# Allegro board 8880F5-0823_RXTX.brd (continued)
## Routing (per net, layer and track width the routed paths; a pad name or vN(x,y) marks a point on that pad's centre or on a via; arc(x,y) is an arc through that point) (continued)
; D125.B16 50.8,100.79 ; D115.B6 336.09,368.3 ; D115.B6 335.28,369.11 ; D115.B6 335.28,367.49 ; D115.B6 334.47,368.3 ; 383.54,387.81 D112.B16 ; D112.B16 383.54,389.43 ; D112.B16 384.35,388.62 ; D112.B16 382.73,388.62 ; D306.B15 417.27,68.58 ; D306.B15 415.85,68.58 ; D306.B15 416.56,67.87 ; D306.B15 416.56,69.29 ; 251.46,90.73 D321.B8 ; D321.B8 252.17,91.44 ; D321.B8 251.46,92.15 ; D321.B8 250.75,91.44 ; D115.A14 315.77,373.38 ; D115.A14 314.15,373.38 ; D115.A14 314.96,374.19 ; D115.A14 314.96,372.57 ; 248.55,246.43 SITE1.G17 ; SITE1.G17 249.51,246.43 ; SITE1.G17 249.03,245.95 ; SITE1.G17 249.03,246.91 ; D111.A5 412.29,375.92 ; D111.A5 411.48,375.11 ; D111.A5 410.67,375.92 ; D111.A5 411.48,376.73 ; D321.B13 264.16,89.61 ; D321.B13 264.87,88.9 ; D321.B13 264.16,88.19 ; D321.B13 263.45,88.9 ; D110.B2 419.91,347.98 ; D110.B2 419.1,347.17 ; D110.B2 418.29,347.98 ; D110.B2 419.1,348.79 ; D318.B14 193.04,71.83 ; D318.B14 193.75,71.12 ; D318.B14 193.04,70.41 ; D318.B14 192.33,71.12 ; D108.B12 409.75,40.64 ; D108.B12 408.94,41.45 ; D108.B12 408.13,40.64 ; D108.B12 408.94,39.83 ; D118.A14 193.85,76.2 ; D118.A14 192.23,76.2 ; D118.A14 193.04,75.39 ; D118.A14 193.04,77.01 ; 192.23,342.9 CSDPS429.B4 ; CSDPS429.B4 193.85,342.9 ; CSDPS429.B4 193.04,342.09 ; CSDPS429.B4 193.04,343.71 ; D317.A13 190.5,84.53 ; D317.A13 190.5,83.11 ; D317.A13 191.21,83.82 ; D317.A13 189.79,83.82 ; CSDPS229.B12 173.53,332.74 ; CSDPS229.B12 172.72,331.93 ; CSDPS229.B12 172.72,333.55 ; CSDPS229.B12 171.91,332.74 ; 329.49,71.12 D302.B10 ; D302.B10 330.2,71.83 ; D302.B10 330.2,70.41 ; D302.B10 330.91,71.12 ; 344.63,373.38 D115.A2 ; D115.A2 346.25,373.38 ; D115.A2 345.44,374.19 ; D115.A2 345.44,372.57 ; 382.73,60.96 D107.B2 ; D107.B2 384.35,60.96 ; D107.B2 383.54,60.15 ; D107.B2 383.54,61.77 ; 42.37,93.98 D125.A13 ; D125.A13 43.18,93.17 ; D125.A13 43.99,93.98 ; D125.A13 43.18,94.79 ; 159.31,83.82 D317.A1 ; D317.A1 160.02,83.11 ; D317.A1 160.02,84.53 ; D317.A1 160.73,83.82 ; 328.85,187.93 SITE4.G8 ; SITE4.G8 329.81,187.93 ; SITE4.G8 329.33,187.45 ; SITE4.G8 329.33,188.41 ; D114.A5 337.82,356.41 ; D114.A5 337.82,354.79 ; D114.A5 337.01,355.6 ; D114.A5 338.63,355.6 ; D123.A3 239.57,53.34 ; D123.A3 238.76,54.15 ; D123.A3 237.95,53.34 ; D123.A3 238.76,52.53 ; 331.85,187.93 SITE4.G11 ; SITE4.G11 332.33,188.41 ; SITE4.G11 332.81,187.93 ; SITE4.G11 332.33,187.45 ; D130.A2 89.71,76.2 ; D130.A2 88.09,76.2 ; D130.A2 88.9,77.01 ; D130.A2 88.9,75.39 ; 248.85,241.33 SITE1.G2 ; SITE1.G2 249.33,240.85 ; SITE1.G2 249.33,241.81 ; SITE1.G2 249.81,241.33 ; D301.A12 335.99,86.36 ; D301.A12 335.28,87.07 ; D301.A12 335.28,85.65 ; D301.A12 334.57,86.36 ; 32.21,58.42 D127.B9 ; D127.B9 33.83,58.42 ; D127.B9 33.02,57.61 ; D127.B9 33.02,59.23 ; 263.35,330.2 CSDPS225.C5 ; CSDPS225.C5 264.16,331.01 ; CSDPS225.C5 264.97,330.2 ; CSDPS225.C5 264.16,329.39 ; D103.A4 315.77,55.88 ; D103.A4 314.96,56.69 ; D103.A4 314.96,55.07 ; D103.A4 314.15,55.88 ; D109.B13 391.97,330.2 ; D109.B13 390.35,330.2 ; D109.B13 391.16,331.01 ; D109.B13 391.16,329.39 ; 414.02,55.07 D107.A14 ; D107.A14 414.02,56.69 ; D107.A14 413.21,55.88 ; D107.A14 414.83,55.88 ; D125.B8 31.29,101.6 ; D125.B8 30.48,100.79 ; D125.B8 30.48,102.41 ; D125.B8 29.67,101.6 ; D110.A13 391.97,355.6 ; D110.A13 390.35,355.6 ; D110.A13 391.16,356.41 ; D110.A13 391.16,354.79 ; D431.A7 185.42,386.89 ; D431.A7 186.23,386.08 ; D431.A7 184.61,386.08 ; D431.A7 185.42,385.27 ; D317.A3 165.81,83.82 ; D317.A3 165.1,83.11 ; D317.A3 164.39,83.82 ; D317.A3 165.1,84.53 ; 88.09,81.28 D130.B2 ; D130.B2 88.9,80.47 ; D130.B2 88.9,82.09 ; D130.B2 89.71,81.28 ; D321.B15 269.95,88.9 ; D321.B15 269.24,89.61 ; D321.B15 268.53,88.9 ; D321.B15 269.24,88.19 ; D305.A1 381.71,83.82 ; D305.A1 381,84.53 ; D305.A1 380.29,83.82 ; D305.A1 381,83.11 ; 408.13,388.62 D112.B6 ; D112.B6 408.94,387.81 ; D112.B6 409.75,388.62 ; D112.B6 408.94,389.43 ; 327.66,88.19 D301.B9 ; D301.B9 327.66,89.61 ; D301.B9 328.37,88.9 ; D301.B9 326.95,88.9 ; 187.96,382.73 D431.A6 ; D431.A6 187.15,383.54 ; D431.A6 187.96,384.35 ; D431.A6 188.77,383.54 ; 345.44,39.83 D104.B16 ; D104.B16 344.63,40.64 ; D104.B16 346.25,40.64 ; D104.B16 345.44,41.45 ; D317.B1 160.73,88.9 ; D317.B1 160.02,89.61 ; D317.B1 159.31,88.9 ; D317.B1 160.02,88.19 ; D318.A8 177.8,66.75 ; D318.A8 177.09,66.04 ; D318.A8 177.8,65.33 ; D318.A8 178.51,66.04 ; 160.02,72.85 D118.A1 ; D118.A1 160.83,73.66 ; D118.A1 160.02,74.47 ; D118.A1 159.21,73.66 ; 24.59,101.6 D125.B6 ; D125.B6 25.4,102.41 ; D125.B6 25.4,100.79 ; D125.B6 26.21,101.6 ; 185.42,329.39 CSDPS229.C7 ; CSDPS229.C7 185.42,331.01 ; CSDPS229.C7 186.23,330.2 ; CSDPS229.C7 184.61,330.2 ; 316.69,375.92 D115.A13 ; D115.A13 318.31,375.92 ; D115.A13 317.5,375.11 ; D115.A13 317.5,376.73 ; D127.B3 17.78,59.23 ; D127.B3 16.97,58.42 ; D127.B3 17.78,57.61 ; D127.B3 18.59,58.42 ; SITE3.G1 248.33,181.81 ; SITE3.G1 247.85,181.33 ; SITE3.G1 248.33,180.85 ; SITE3.G1 248.81,181.33 ; 123.65,55.88 D131.A16 ; D131.A16 124.46,56.69 ; D131.A16 125.27,55.88 ; D131.A16 124.46,55.07 ; UNK2U2.4 482.49,215.88 ; UNK2U2.4 483.43,214.94 ; UNK2U2.4 481.55,214.94 ; UNK2U2.4 482.49,214 ; 16.97,93.98 D125.A3 ; D125.A3 17.78,94.79 ; D125.A3 18.59,93.98 ; D125.A3 17.78,93.17 ; D231.B7 186.23,370.84 ; D231.B7 185.42,371.65 ; D231.B7 185.42,370.03 ; D231.B7 184.61,370.84 ; 97.14,218.21 U2.4 ; U2.4 96.2,219.15 ; U2.4 97.14,220.09 ; U2.4 98.08,219.15 ; 387.91,66.04 D306.A4 ; D306.A4 388.62,65.33 ; D306.A4 389.33,66.04 ; D306.A4 388.62,66.75 ; 401.32,57.61 D107.B9 ; D107.B9 400.51,58.42 ; D107.B9 401.32,59.23 ; D107.B9 402.13,58.42 ; 415.85,88.9 D305.B15 ; D305.B15 416.56,89.61 ; D305.B15 416.56,88.19 ; D305.B15 417.27,88.9 ; 195.58,77.93 D118.B15 ; D118.B15 195.58,79.55 ; D118.B15 194.77,78.74 ; D118.B15 196.39,78.74 ; 317.5,72.85 D102.A5 ; D102.A5 316.69,73.66 ; D102.A5 318.31,73.66 ; D102.A5 317.5,74.47 ; 176.99,35.56 D120.A8 ; D120.A8 177.8,34.75 ; D120.A8 177.8,36.37 ; D120.A8 178.61,35.56 ; 265.99,66.04 D322.A14 ; D322.A14 267.41,66.04 ; D322.A14 266.7,65.33 ; D322.A14 266.7,66.75 ; 401.32,349.71 D110.B9 ; D110.B9 400.51,350.52 ; D110.B9 401.32,351.33 ; D110.B9 402.13,350.52 ; D124.A9 254,33.83 ; D124.A9 254.81,33.02 ; D124.A9 253.19,33.02 ; D124.A9 254,32.21 ; D431.B3 196.39,381 ; D431.B3 195.58,380.19 ; D431.B3 195.58,381.81 ; D431.B3 194.77,381 ; D112.B7 406.4,391.97 ; D112.B7 406.4,390.35 ; D112.B7 405.59,391.16 ; D112.B7 407.21,391.16 ; D122.B2 237.03,81.28 ; D122.B2 236.22,80.47 ; D122.B2 235.41,81.28 ; D122.B2 236.22,82.09 ; 251.46,342.09 CSDPS425.B10 ; CSDPS425.B10 250.65,342.9 ; CSDPS425.B10 252.27,342.9 ; CSDPS425.B10 251.46,343.71 ; 395.43,33.02 D108.A7 ; D108.A7 396.24,32.21 ; D108.A7 396.24,33.83 ; D108.A7 397.05,33.02 ; D321.A12 261.62,87.07 ; D321.A12 261.62,85.65 ; D321.A12 260.91,86.36 ; D321.A12 262.33,86.36 ; 344.63,327.66 D113.B2 ; D113.B2 346.25,327.66 ; D113.B2 345.44,328.47 ; D113.B2 345.44,326.85 ; 309.88,347.17 D114.B16 ; D114.B16 309.07,347.98 ; D114.B16 310.69,347.98 ; D114.B16 309.88,348.79 ; D322.B6 247.09,71.12 ; D322.B6 246.38,70.41 ; D322.B6 245.67,71.12 ; D322.B6 246.38,71.83 ; D132.A2 89.71,35.56 ; D132.A2 88.9,34.75 ; D132.A2 88.09,35.56 ; D132.A2 88.9,36.37 ; 99.06,39.83 D132.B6 ; D132.B6 99.87,40.64 ; D132.B6 99.06,41.45 ; D132.B6 98.25,40.64 ; SITE4.G3 330.81,181.33 ; SITE4.G3 329.85,181.33 ; SITE4.G3 330.33,181.81 ; SITE4.G3 330.33,180.85 ; SITE2.G3 330.33,241.81 ; SITE2.G3 330.33,240.85 ; SITE2.G3 330.81,241.33 ; SITE2.G3 329.85,241.33 ; D305.B1 381.71,88.9 ; D305.B1 380.29,88.9 ; D305.B1 381,88.19 ; D305.B1 381,89.61 ; D110.A11 397.05,355.6 ; D110.A11 395.43,355.6 ; D110.A11 396.24,356.41 ; D110.A11 396.24,354.79 ; D115.A11 323.39,375.92 ; D115.A11 322.58,376.73 ; D115.A11 322.58,375.11 ; D115.A11 321.77,375.92 ; D126.B6 26.21,81.28 ; D126.B6 24.59,81.28 ; D126.B6 25.4,80.47 ; D126.B6 25.4,82.09 ; D111.B14 389.43,368.3 ; D111.B14 388.62,367.49 ; D111.B14 388.62,369.11 ; D111.B14 387.81,368.3 ; D317.B6 173.43,91.44 ; D317.B6 172.01,91.44 ; D317.B6 172.72,90.73 ; D317.B6 172.72,92.15 ; D113.A14 315.77,332.74 ; D113.A14 314.96,333.55 ; D113.A14 314.15,332.74 ; D113.A14 314.96,331.93 ; 162.56,70.41 D318.B2 ; D318.B2 161.85,71.12 ; D318.B2 163.27,71.12 ; D318.B2 162.56,71.83 ; 314.15,347.98 D114.B14 ; D114.B14 315.77,347.98 ; D114.B14 314.96,347.17 ; D114.B14 314.96,348.79 ; 265.89,342.9 CSDPS425.B4 ; CSDPS425.B4 267.51,342.9 ; CSDPS425.B4 266.7,342.09 ; CSDPS425.B4 266.7,343.71 ; S4_I2C.4 519.86,203.45 ; S4_I2C.4 518.92,202.51 ; S4_I2C.4 518.92,204.39 ; S4_I2C.4 517.98,203.45 ; D322.A16 272.49,66.04 ; D322.A16 271.07,66.04 ; D322.A16 271.78,65.33 ; D322.A16 271.78,66.75 ; D116.A13 318.31,396.24 ; D116.A13 316.69,396.24 ; D116.A13 317.5,395.43 ; D116.A13 317.5,397.05 ; D104.B12 335.28,41.45 ; D104.B12 335.28,39.83 ; D104.B12 334.47,40.64 ; D104.B12 336.09,40.64 ; 96.52,52.53 D131.A5 ; D131.A5 96.52,54.15 ; D131.A5 95.71,53.34 ; D131.A5 97.33,53.34 ; 165.1,88.19 D317.B3 ; D317.B3 164.39,88.9 ; D317.B3 165.81,88.9 ; D317.B3 165.1,89.61 ; 405.59,350.52 D110.B7 ; D110.B7 406.4,351.33 ; D110.B7 406.4,349.71 ; D110.B7 407.21,350.52 ; CSDPS429.B8 183.69,342.9 ; CSDPS429.B8 182.88,342.09 ; CSDPS429.B8 182.88,343.71 ; CSDPS429.B8 182.07,342.9 ; 254,77.93 D122.B9 ; D122.B9 254,79.55 ; D122.B9 254.81,78.74 ; D122.B9 253.19,78.74 ; D126.A3 18.59,73.66 ; D126.A3 17.78,74.47 ; D126.A3 16.97,73.66 ; D126.A3 17.78,72.85 ; D110.A7 406.4,356.41 ; D110.A7 405.59,355.6 ; D110.A7 406.4,354.79 ; D110.A7 407.21,355.6 ; SITE3.G12 253.81,187.93 ; SITE3.G12 252.85,187.93 ; SITE3.G12 253.33,188.41 ; SITE3.G12 253.33,187.45 ; 269.24,67.87 D322.B15 ; D322.B15 269.95,68.58 ; D322.B15 268.53,68.58 ; D322.B15 269.24,69.29 ; 255.73,76.2 D122.A10 ; D122.A10 257.35,76.2 ; D122.A10 256.54,75.39 ; D122.A10 256.54,77.01 ; D107.B16 419.91,60.96 ; D107.B16 418.29,60.96 ; D107.B16 419.1,60.15 ; D107.B16 419.1,61.77 ; 106.68,72.85 D130.A9 ; D130.A9 106.68,74.47 ; D130.A9 105.87,73.66 ; D130.A9 107.49,73.66 ; 27.13,33.02 D128.A7 ; D128.A7 27.94,32.21 ; D128.A7 27.94,33.83 ; D128.A7 28.75,33.02 ; D107.B14 414.83,60.96 ; D107.B14 414.02,60.15 ; D107.B14 414.02,61.77 ; D107.B14 413.21,60.96 ; 410.77,63.5 D306.A13 ; D306.A13 412.19,63.5 ; D306.A13 411.48,64.21 ; D306.A13 411.48,62.79 ; 190.5,67.87 D318.B13 ; D318.B13 189.79,68.58 ; D318.B13 191.21,68.58 ; D318.B13 190.5,69.29 ; 245.67,86.36 D321.A6 ; D321.A6 247.09,86.36 ; D321.A6 246.38,87.07 ; D321.A6 246.38,85.65 ; D106.B8 398.78,82.09 ; D106.B8 399.59,81.28 ; D106.B8 398.78,80.47 ; D106.B8 397.97,81.28 ; CSDPS429.B14 167.64,343.71 ; CSDPS429.B14 167.64,342.09 ; CSDPS429.B14 168.45,342.9 ; CSDPS429.B14 166.83,342.9 ; 319.23,393.7 D116.A12 ; D116.A12 320.04,394.51 ; D116.A12 320.85,393.7 ; D116.A12 320.04,392.89 ; 24.59,76.2 D126.A6 ; D126.A6 26.21,76.2 ; D126.A6 25.4,77.01 ; D126.A6 25.4,75.39 ; 393.7,392.89 D112.A12 ; D112.A12 392.89,393.7 ; D112.A12 394.51,393.7 ; D112.A12 393.7,394.51 ; CSDPS425.B2 272.59,342.9 ; CSDPS425.B2 271.78,343.71 ; CSDPS425.B2 271.78,342.09 ; CSDPS425.B2 270.97,342.9 ; 86.36,37.29 D132.B1 ; D132.B1 86.36,38.91 ; D132.B1 87.17,38.1 ; D132.B1 85.55,38.1 ; 319.33,91.44 D301.B6 ; D301.B6 320.04,92.15 ; D301.B6 320.04,90.73 ; D301.B6 320.75,91.44 ; D112.A2 419.1,394.51 ; D112.A2 418.29,393.7 ; D112.A2 419.1,392.89 ; D112.A2 419.91,393.7 ; 400.51,78.74 D106.B9 ; D106.B9 402.13,78.74 ; D106.B9 401.32,77.93 ; D106.B9 401.32,79.55 ; 395.53,83.82 D305.A7 ; D305.A7 396.95,83.82 ; D305.A7 396.24,83.11 ; D305.A7 396.24,84.53 ; D124.A3 239.57,33.02 ; D124.A3 237.95,33.02 ; D124.A3 238.76,32.21 ; D124.A3 238.76,33.83 ; 44.91,35.56 D128.A14 ; D128.A14 45.72,36.37 ; D128.A14 46.53,35.56 ; D128.A14 45.72,34.75 ; 172.72,55.07 D119.A6 ; D119.A6 172.72,56.69 ; D119.A6 171.91,55.88 ; D119.A6 173.53,55.88 ; 254,88.19 D321.B9 ; D321.B9 254,89.61 ; D321.B9 253.29,88.9 ; D321.B9 254.71,88.9 ; 86.36,32.21 D132.A1 ; D132.A1 87.17,33.02 ; D132.A1 85.55,33.02 ; D132.A1 86.36,33.83 ; DPS3.A15 269.24,14.78 ; DPS3.A15 270.05,13.97 ; DPS3.A15 268.43,13.97 ; DPS3.A15 269.24,13.16 ; 93.98,60.15 D131.B4 ; D131.B4 93.98,61.77 ; D131.B4 94.79,60.96 ; D131.B4 93.17,60.96 ; D104.A3 312.42,33.83 ; D104.A3 312.42,32.21 ; D104.A3 311.61,33.02 ; D104.A3 313.23,33.02 ; D110.A3 417.37,355.6 ; D110.A3 416.56,356.41 ; D110.A3 415.75,355.6 ; D110.A3 416.56,354.79 ; D127.A6 25.4,56.69 ; D127.A6 26.21,55.88 ; D127.A6 24.59,55.88 ; D127.A6 25.4,55.07 ; 108.41,101.6 D129.B10 ; D129.B10 109.22,100.79 ; D129.B10 109.22,102.41 ; D129.B10 110.03,101.6 ; D317.A15 196.29,83.82 ; D317.A15 195.58,83.11 ; D317.A15 194.87,83.82 ; D317.A15 195.58,84.53 ; 250.65,60.96 D123.B8 ; D123.B8 251.46,61.77 ; D123.B8 251.46,60.15 ; D123.B8 252.27,60.96 ; 393.7,70.41 D306.B6 ; D306.B6 394.41,71.12 ; D306.B6 392.99,71.12 ; D306.B6 393.7,71.83 ; 27.94,77.93 D126.B7 ; D126.B7 27.13,78.74 ; D126.B7 28.75,78.74 ; D126.B7 27.94,79.55 ; 43.18,72.85 D126.A13 ; D126.A13 42.37,73.66 ; D126.A13 43.18,74.47 ; D126.A13 43.99,73.66 ; D108.A15 416.56,33.83 ; D108.A15 415.75,33.02 ; D108.A15 417.37,33.02 ; D108.A15 416.56,32.21 ; D301.A10 330.91,86.36 ; D301.A10 330.2,87.07 ; D301.A10 330.2,85.65 ; D301.A10 329.49,86.36 ; 396.24,72.85 D106.A7 ; D106.A7 396.24,74.47 ; D106.A7 397.05,73.66 ; D106.A7 395.43,73.66 ; D130.B8 104.14,82.09 ; D130.B8 104.14,80.47 ; D130.B8 103.33,81.28 ; D130.B8 104.95,81.28 ; 309.07,332.74 D113.A16 ; D113.A16 309.88,331.93 ; D113.A16 309.88,333.55 ; D113.A16 310.69,332.74 ; 233.68,62.79 D322.A1 ; D322.A1 233.68,64.21 ; D322.A1 232.97,63.5 ; D322.A1 234.39,63.5 ; D127.A12 40.64,56.69 ; D127.A12 41.45,55.88 ; D127.A12 40.64,55.07 ; D127.A12 39.83,55.88 ; 383.54,34.75 D108.A2 ; D108.A2 384.35,35.56 ; D108.A2 382.73,35.56 ; D108.A2 383.54,36.37 ; D112.B11 396.24,391.97 ; D112.B11 397.05,391.16 ; D112.B11 396.24,390.35 ; D112.B11 395.43,391.16 ; D116.B11 322.58,391.97 ; D116.B11 322.58,390.35 ; D116.B11 321.77,391.16 ; D116.B11 323.39,391.16 ; 327.85,241.33 SITE2.G1 ; SITE2.G1 328.81,241.33 ; SITE2.G1 328.33,240.85 ; SITE2.G1 328.33,241.81 ; D116.B7 333.55,391.16 ; D116.B7 332.74,391.97 ; D116.B7 332.74,390.35 ; D116.B7 331.93,391.16 ; D128.A5 23.67,33.02 ; D128.A5 22.86,33.83 ; D128.A5 22.05,33.02 ; D128.A5 22.86,32.21 ; 385.27,33.02 D108.A3 ; D108.A3 386.08,33.83 ; D108.A3 386.89,33.02 ; D108.A3 386.08,32.21 ; 193.04,80.47 D118.B14 ; D118.B14 193.04,82.09 ; D118.B14 192.23,81.28 ; D118.B14 193.85,81.28 ; 192.33,86.36 D317.A14 ; D317.A14 193.04,87.07 ; D317.A14 193.75,86.36 ; D317.A14 193.04,85.65 ; 329.39,81.28 D102.B10 ; D102.B10 330.2,82.09 ; D102.B10 330.2,80.47 ; D102.B10 331.01,81.28 ; 44.91,55.88 D127.A14 ; D127.A14 45.72,55.07 ; D127.A14 46.53,55.88 ; D127.A14 45.72,56.69 ; 405.59,33.02 D108.A11 ; D108.A11 406.4,33.83 ; D108.A11 407.21,33.02 ; D108.A11 406.4,32.21 ; 421.64,370.03 D111.B1 ; D111.B1 420.83,370.84 ; D111.B1 422.45,370.84 ; D111.B1 421.64,371.65 ; DPS1.C15 416.56,19.86 ; DPS1.C15 415.75,19.05 ; DPS1.C15 416.56,18.24 ; DPS1.C15 417.37,19.05 ; 320.04,372.57 D115.A12 ; D115.A12 320.85,373.38 ; D115.A12 320.04,374.19 ; D115.A12 319.23,373.38 ; SITE2.G15 331.91,242.83 ; SITE2.G15 330.95,242.83 ; SITE2.G15 331.43,242.35 ; SITE2.G15 331.43,243.31 ; 96.1,205.54 U1.4 ; U1.4 97.04,204.6 ; U1.4 97.04,206.48 ; U1.4 97.98,205.54 ; 392.89,35.56 D108.A6 ; D108.A6 394.51,35.56 ; D108.A6 393.7,36.37 ; D108.A6 393.7,34.75 ; D123.B12 261.62,61.77 ; D123.B12 260.81,60.96 ; D123.B12 262.43,60.96 ; D123.B12 261.62,60.15 ; 330.2,352.25 D114.A8 ; D114.A8 331.01,353.06 ; D114.A8 329.39,353.06 ; D114.A8 330.2,353.87 ; 90.63,33.02 D132.A3 ; D132.A3 91.44,32.21 ; D132.A3 91.44,33.83 ; D132.A3 92.25,33.02 ; 411.48,83.11 D305.A13 ; D305.A13 411.48,84.53 ; D305.A13 410.77,83.82 ; D305.A13 412.19,83.82 ; D120.B15 195.58,38.91 ; D120.B15 195.58,37.29 ; D120.B15 196.39,38.1 ; D120.B15 194.77,38.1 ; CSDPS225.B14 242.11,332.74 ; CSDPS225.B14 241.3,333.55 ; CSDPS225.B14 240.49,332.74 ; CSDPS225.B14 241.3,331.93 ; 118.57,76.2 D130.A14 ; D130.A14 119.38,77.01 ; D130.A14 120.19,76.2 ; D130.A14 119.38,75.39 ; SITE4.G13 329.03,183.31 ; SITE4.G13 328.55,182.83 ; SITE4.G13 329.03,182.35 ; SITE4.G13 329.51,182.83 ; D130.B5 97.33,78.74 ; D130.B5 95.71,78.74 ; D130.B5 96.52,77.93 ; D130.B5 96.52,79.55 ; 232.87,38.1 D124.B1 ; D124.B1 233.68,37.29 ; D124.B1 234.49,38.1 ; D124.B1 233.68,38.91 ; D112.A3 416.56,397.05 ; D112.A3 416.56,395.43 ; D112.A3 415.75,396.24 ; D112.A3 417.37,396.24 ; 12.7,98.25 D125.B1 ; D125.B1 11.89,99.06 ; D125.B1 13.51,99.06 ; D125.B1 12.7,99.87 ; 255.83,66.04 D322.A10 ; D322.A10 257.25,66.04 ; D322.A10 256.54,65.33 ; D322.A10 256.54,66.75 ; 238.76,77.93 D122.B3 ; D122.B3 239.57,78.74 ; D122.B3 238.76,79.55 ; D122.B3 237.95,78.74 ; D113.B3 342.9,331.01 ; D113.B3 343.71,330.2 ; D113.B3 342.09,330.2 ; 198.12,342.09 CSDPS429.B2 ; CSDPS429.B2 197.31,342.9 ; CSDPS429.B2 198.12,343.71 ; CSDPS429.B2 198.93,342.9 ; D124.B4 242.11,40.64 ; D124.B4 241.3,41.45 ; D124.B4 240.49,40.64 ; D124.B4 241.3,39.83 ; D118.B11 185.42,79.55 ; D118.B11 185.42,77.93 ; D118.B11 184.61,78.74 ; D118.B11 186.23,78.74 ; 180.34,57.61 D119.B9 ; D119.B9 179.53,58.42 ; D119.B9 181.15,58.42 ; D119.B9 180.34,59.23 ; 406.4,334.47 D109.A7 ; D109.A7 405.59,335.28 ; D109.A7 407.21,335.28 ; D109.A7 406.4,336.09 ; D114.B5 337.82,351.33 ; D114.B5 337.82,349.71 ; D114.B5 338.63,350.52 ; D114.B5 337.01,350.52 ; 187.15,368.3 D231.B6 ; D231.B6 187.96,369.11 ; D231.B6 188.77,368.3 ; D231.B6 187.96,367.49 ; D318.A7 175.97,63.5 ; D318.A7 175.26,64.21 ; D318.A7 175.26,62.79 ; D318.A7 174.55,63.5 ; D129.B11 111.76,99.87 ; D129.B11 112.57,99.06 ; D129.B11 110.95,99.06 ; D129.B11 111.76,98.25 ; DPS3.C05 243.84,19.86 ; DPS3.C05 243.03,19.05 ; DPS3.C05 243.84,18.24 ; DPS3.C05 244.65,19.05 ; D103.A8 325.93,55.88 ; D103.A8 325.12,56.69 ; D103.A8 325.12,55.07 ; D103.A8 324.31,55.88 ; D123.B5 243.84,59.23 ; D123.B5 244.65,58.42 ; D123.B5 243.03,58.42 ; D123.B5 243.84,57.61 ; 415.75,13.97 DPS1.A15 ; DPS1.A15 417.37,13.97 ; DPS1.A15 416.56,13.16 ; DPS1.A15 416.56,14.78 ; 180.34,72.85 D118.A9 ; D118.A9 181.15,73.66 ; D118.A9 179.53,73.66 ; D118.A9 180.34,74.47 ; 121.11,73.66 D130.A15 ; D130.A15 121.92,74.47 ; D130.A15 122.73,73.66 ; D130.A15 121.92,72.85 ; D115.B1 347.98,371.65 ; D115.B1 347.98,370.03 ; D115.B1 348.79,370.84 ; D115.B1 347.17,370.84 ; 38.1,52.53 D127.A11 ; D127.A11 38.1,54.15 ; D127.A11 38.91,53.34 ; D127.A11 37.29,53.34 ; 393.7,331.93 D109.A12 ; D109.A12 393.7,333.55 ; D109.A12 394.51,332.74 ; D109.A12 392.89,332.74 ; SITE3.G2 249.33,181.81 ; SITE3.G2 248.85,181.33 ; SITE3.G2 249.81,181.33 ; SITE3.G2 249.33,180.85 ; D322.B4 242.01,71.12 ; D322.B4 240.59,71.12 ; D322.B4 241.3,71.83 ; D322.B4 241.3,70.41 ; 164.29,78.74 D118.B3 ; D118.B3 165.91,78.74 ; D118.B3 165.1,77.93 ; D118.B3 165.1,79.55 ; 263.35,53.34 D123.A13 ; D123.A13 264.16,52.53 ; D123.A13 264.97,53.34 ; D123.A13 264.16,54.15 ; 24.59,96.52 D125.A6 ; D125.A6 25.4,95.71 ; D125.A6 25.4,97.33 ; D125.A6 26.21,96.52 ; 331.93,38.1 D104.B11 ; D104.B11 332.74,37.29 ; D104.B11 332.74,38.91 ; D104.B11 333.55,38.1 ; D107.B7 397.05,58.42 ; D107.B7 396.24,59.23 ; D107.B7 396.24,57.61 ; D107.B7 395.43,58.42 ; D322.A5 243.84,64.21 ; D322.A5 243.13,63.5 ; D322.A5 243.84,62.79 ; D322.A5 244.55,63.5 ; 22.86,93.17 D125.A5 ; D125.A5 22.05,93.98 ; D125.A5 22.86,94.79 ; D125.A5 23.67,93.98 ; D322.A12 262.33,66.04 ; D322.A12 260.91,66.04 ; D322.A12 261.62,65.33 ; D322.A12 261.62,66.75 ; D126.B8 31.29,81.28 ; D126.B8 30.48,82.09 ; D126.B8 30.48,80.47 ; D126.B8 29.67,81.28 ; 47.45,78.74 D126.B15 ; D126.B15 49.07,78.74 ; D126.B15 48.26,77.93 ; 386.08,334.47 D109.A15 ; D109.A15 386.89,335.28 ; D109.A15 386.08,336.09 ; D109.A15 385.27,335.28 ; 161.85,91.44 D317.B2 ; D317.B2 162.56,92.15 ; D317.B2 163.27,91.44 ; D317.B2 162.56,90.73 ; D318.B3 165.81,68.58 ; D318.B3 164.39,68.58 ; D318.B3 165.1,67.87 ; D318.B3 165.1,69.29 ; 385.37,83.82 D305.A3 ; D305.A3 386.08,84.53 ; D305.A3 386.08,83.11 ; D305.A3 386.79,83.82 ; D102.B11 333.55,78.74 ; D102.B11 332.74,77.93 ; D102.B11 332.74,79.55 ; D102.B11 331.93,78.74 ; SITE1.G1 248.33,241.81 ; SITE1.G1 248.33,240.85 ; SITE1.G1 247.85,241.33 ; SITE1.G1 248.81,241.33 ; D113.A3 342.9,336.09 ; D113.A3 342.9,334.47 ; D113.A3 343.71,335.28 ; D113.A3 342.09,335.28 ; D122.B13 264.97,78.74 ; D122.B13 263.35,78.74 ; D122.B13 264.16,77.93 ; D122.B13 264.16,79.55 ; D108.B10 403.86,41.45 ; D108.B10 404.67,40.64 ; D108.B10 403.86,39.83 ; D108.B10 403.05,40.64 ; D107.B15 416.56,59.23 ; D107.B15 417.37,58.42 ; D107.B15 416.56,57.61 ; D107.B15 415.75,58.42 ; 101.6,98.25 D129.B7 ; D129.B7 101.6,99.87 ; D129.B7 100.79,99.06 ; D129.B7 102.41,99.06 ; D107.B3 386.08,59.23 ; D107.B3 386.08,57.61 ; D107.B3 386.89,58.42 ; D107.B3 385.27,58.42 ; 180.34,339.55 CSDPS429.C9 ; CSDPS429.C9 181.15,340.36 ; CSDPS429.C9 180.34,341.17 ; CSDPS429.C9 179.53,340.36 ; 167.64,382.73 D431.A14 ; D431.A14 166.83,383.54 ; D431.A14 167.64,384.35 ; D431.A14 168.45,383.54 ; D322.A4 242.01,66.04 ; D322.A4 240.59,66.04 ; D322.A4 241.3,66.75 ; D322.A4 241.3,65.33 ; 397.97,332.74 D109.A10 ; D109.A10 398.78,333.55 ; D109.A10 398.78,331.93 ; D109.A10 399.59,332.74 ; 121.11,33.02 D132.A15 ; D132.A15 121.92,33.83 ; D132.A15 121.92,32.21 ; D132.A15 122.73,33.02 ; 410.67,335.28 D109.A5 ; D109.A5 411.48,336.09 ; D109.A5 411.48,334.47 ; D109.A5 412.29,335.28 ; D128.B3 17.78,38.91 ; D128.B3 18.59,38.1 ; D128.B3 17.78,37.29 ; D128.B3 16.97,38.1 ; SITE3.G18 250.23,186.91 ; SITE3.G18 249.75,186.43 ; SITE3.G18 250.71,186.43 ; SITE3.G18 250.23,185.95 ; D125.A4 20.32,97.33 ; D125.A4 19.51,96.52 ; D125.A4 21.13,96.52 ; D125.A4 20.32,95.71 ; D118.A12 188.77,76.2 ; D118.A12 187.96,75.39 ; D118.A12 187.96,77.01 ; D118.A12 187.15,76.2 ; D129.A8 104.14,97.33 ; D129.A8 104.14,95.71 ; D129.A8 103.33,96.52 ; D129.A8 104.95,96.52 ; 405.59,19.05 DPS1.C11 ; DPS1.C11 406.4,18.24 ; DPS1.C11 407.21,19.05 ; DPS1.C11 406.4,19.86 ; 33.02,72.85 D126.A9 ; D126.A9 33.02,74.47 ; D126.A9 32.21,73.66 ; D126.A9 33.83,73.66 ; 243.03,13.97 DPS3.A05 ; DPS3.A05 243.84,13.16 ; DPS3.A05 244.65,13.97 ; DPS3.A05 243.84,14.78 ; 342.09,38.1 D104.B15 ; D104.B15 342.9,38.91 ; D104.B15 343.71,38.1 ; D104.B15 342.9,37.29 ; 243.84,52.53 D123.A5 ; D123.A5 243.03,53.34 ; D123.A5 244.65,53.34 ; D123.A5 243.84,54.15 ; 420.83,396.24 D112.A1 ; D112.A1 422.45,396.24 ; D112.A1 421.64,397.05 ; D112.A1 421.64,395.43 ; D317.B9 180.34,89.61 ; D317.B9 180.34,88.19 ; D317.B9 179.63,88.9 ; D317.B9 181.05,88.9 ; 271.78,70.41 D322.B16 ; D322.B16 271.07,71.12 ; D322.B16 271.78,71.83 ; D322.B16 272.49,71.12 ; 322.58,334.47 D113.A11 ; D113.A11 323.39,335.28 ; D113.A11 322.58,336.09 ; D113.A11 321.77,335.28 ; 339.55,347.98 D114.B4 ; D114.B4 341.17,347.98 ; D114.B4 340.36,348.79 ; D114.B4 340.36,347.17 ; 332.74,67.87 D302.B11 ; D302.B11 332.74,69.29 ; D302.B11 332.03,68.58 ; D302.B11 333.45,68.58 ; 39.83,101.6 D125.B12 ; D125.B12 40.64,100.79 ; D125.B12 40.64,102.41 ; D125.B12 41.45,101.6 ; 264.16,62.79 D322.A13 ; D322.A13 263.45,63.5 ; D322.A13 264.16,64.21 ; D322.A13 264.87,63.5 ; D431.A15 165.1,386.89 ; D431.A15 165.1,385.27 ; D431.A15 165.91,386.08 ; D431.A15 164.29,386.08 ; 339.55,55.88 D103.A14 ; D103.A14 341.17,55.88 ; D103.A14 340.36,56.69 ; D103.A14 340.36,55.07 ; D131.B11 111.76,59.23 ; D131.B11 111.76,57.61 ; D131.B11 110.95,58.42 ; D131.B11 112.57,58.42 ; 317.5,32.21 D104.A5 ; D104.A5 318.31,33.02 ; D104.A5 316.69,33.02 ; D104.A5 317.5,33.83 ; D103.A11 333.55,53.34 ; D103.A11 332.74,54.15 ; D103.A11 332.74,52.53 ; D103.A11 331.93,53.34 ; SITE3.G9 250.33,188.41 ; SITE3.G9 249.85,187.93 ; SITE3.G9 250.33,187.45 ; SITE3.G9 250.81,187.93 ; 190.5,375.11 D231.A5 ; D231.A5 189.69,375.92 ; D231.A5 191.31,375.92 ; D231.A5 190.5,376.73 ; 185.42,339.55 CSDPS429.C7 ; CSDPS429.C7 184.61,340.36 ; CSDPS429.C7 186.23,340.36 ; CSDPS429.C7 185.42,341.17 ; D231.A13 170.18,376.73 ; D231.A13 170.99,375.92 ; D231.A13 170.18,375.11 ; D231.A13 169.37,375.92 ; 171.91,81.28 D118.B6 ; D118.B6 172.72,80.47 ; D118.B6 173.53,81.28 ; D118.B6 172.72,82.09 ; D102.B5 317.5,79.55 ; D102.B5 317.5,77.93 ; D102.B5 316.69,78.74 ; D102.B5 318.31,78.74 ; 98.25,55.88 D131.A6 ; D131.A6 99.87,55.88 ; D131.A6 99.06,56.69 ; D131.A6 99.06,55.07 ; 329.39,55.88 D103.A10 ; D103.A10 331.01,55.88 ; D103.A10 330.2,55.07 ; D103.A10 330.2,56.69 ; D127.B2 16.05,60.96 ; D127.B2 15.24,60.15 ; D127.B2 14.43,60.96 ; D127.B2 15.24,61.77 ; 174.45,53.34 D119.A7 ; D119.A7 175.26,52.53 ; D119.A7 176.07,53.34 ; D119.A7 175.26,54.15 ; D317.B13 191.21,88.9 ; D317.B13 190.5,89.61 ; D317.B13 190.5,88.19 ; D317.B13 189.79,88.9 ; D131.A7 101.6,54.15 ; D131.A7 100.79,53.34 ; D131.A7 102.41,53.34 ; D131.A7 101.6,52.53 ; 413.21,81.28 D106.B14 ; D106.B14 414.02,82.09 ; D106.B14 414.02,80.47 ; D106.B14 414.83,81.28 ; 101.6,32.21 D132.A7 ; D132.A7 100.79,33.02 ; D132.A7 101.6,33.83 ; D132.A7 102.41,33.02 ; 382.83,66.04 D306.A2 ; D306.A2 384.25,66.04 ; D306.A2 383.54,66.75 ; D306.A2 383.54,65.33 ; 159.21,53.34 D119.A1 ; D119.A1 160.02,54.15 ; D119.A1 160.83,53.34 ; D119.A1 160.02,52.53 ; 413.21,35.56 D108.A14 ; D108.A14 414.02,36.37 ; D108.A14 414.83,35.56 ; D108.A14 414.02,34.75 ; 319.23,353.06 D114.A12 ; D114.A12 320.04,352.25 ; D114.A12 320.85,353.06 ; D114.A12 320.04,353.87 ; DPS1.A01 381.81,13.97 ; DPS1.A01 380.19,13.97 ; DPS1.A01 381,14.78 ; DPS1.A01 381,13.16 ; D129.B13 117.65,99.06 ; D129.B13 116.03,99.06 ; D129.B13 116.84,98.25 ; D129.B13 116.84,99.87 ; 391.16,375.11 D111.A13 ; D111.A13 391.16,376.73 ; D111.A13 390.35,375.92 ; D111.A13 391.97,375.92 ; D321.A2 236.22,87.07 ; D321.A2 236.22,85.65 ; D321.A2 235.51,86.36 ; D321.A2 236.93,86.36 ; 116.84,93.17 D129.A13 ; D129.A13 116.03,93.98 ; D129.A13 116.84,94.79 ; D129.A13 117.65,93.98 ; D115.B11 323.39,370.84 ; D115.B11 322.58,370.03 ; D115.B11 321.77,370.84 ; D115.B11 322.58,371.65 ; 342.09,375.92 D115.A3 ; D115.A3 342.9,375.11 ; D115.A3 342.9,376.73 ; D115.A3 343.71,375.92 ; 271.78,55.07 D123.A16 ; D123.A16 271.78,56.69 ; D123.A16 270.97,55.88 ; D123.A16 272.59,55.88 ; 383.54,367.49 D111.B16 ; D111.B16 383.54,369.11 ; D111.B16 382.73,368.3 ; D111.B16 384.35,368.3 ; 169.47,68.58 D318.B5 ; D318.B5 170.18,67.87 ; D318.B5 170.18,69.29 ; D318.B5 170.89,68.58 ; 332.74,349.71 D114.B7 ; D114.B7 331.93,350.52 ; D114.B7 332.74,351.33 ; D114.B7 333.55,350.52 ; D114.A10 325.12,353.87 ; D114.A10 325.12,352.25 ; D114.A10 324.31,353.06 ; D114.A10 325.93,353.06 ; 382.73,393.7 D112.A16 ; D112.A16 383.54,392.89 ; D112.A16 384.35,393.7 ; D112.A16 383.54,394.51 ; D109.A9 401.32,336.09 ; D109.A9 400.51,335.28 ; D109.A9 401.32,334.47 ; D109.A9 402.13,335.28 ; 164.29,53.34 D119.A3 ; D119.A3 165.91,53.34 ; D119.A3 165.1,54.15 ; D119.A3 165.1,52.53 ; D321.B6 247.09,91.44 ; D321.B6 246.38,90.73 ; D321.B6 245.67,91.44 ; D321.B6 246.38,92.15 ; 88.9,100.79 D129.B2 ; D129.B2 88.9,102.41 ; D129.B2 89.71,101.6 ; D129.B2 88.09,101.6 ; 259.08,72.85 D122.A11 ; D122.A11 259.89,73.66 ; D122.A11 259.08,74.47 ; D122.A11 258.27,73.66 ; D130.B16 125.27,81.28 ; D130.B16 123.65,81.28 ; D130.B16 124.46,82.09 ; D130.B16 124.46,80.47 ; 408.13,327.66 D109.B6 ; D109.B6 408.94,326.85 ; D109.B6 408.94,328.47 ; D109.B6 409.75,327.66 ; D322.B9 254,69.29 ; D322.B9 253.29,68.58 ; D322.B9 254.71,68.58 ; D322.B9 254,67.87 ; 175.26,83.11 D317.A7 ; D317.A7 175.97,83.82 ; D317.A7 174.55,83.82 ; D317.A7 175.26,84.53 ; 309.07,40.64 D104.B2 ; D104.B2 309.88,41.45 ; D104.B2 310.69,40.64 ; D104.B2 309.88,39.83 ; 177.8,75.39 D118.A8 ; D118.A8 176.99,76.2 ; D118.A8 178.61,76.2 ; D118.A8 177.8,77.01 ; D123.B4 242.11,60.96 ; D123.B4 240.49,60.96 ; D123.B4 241.3,60.15 ; D123.B4 241.3,61.77 ; 22.05,58.42 D127.B5 ; D127.B5 23.67,58.42 ; D127.B5 22.86,57.61 ; D127.B5 22.86,59.23 ; D318.B15 195.58,69.29 ; D318.B15 194.87,68.58 ; D318.B15 196.29,68.58 ; D318.B15 195.58,67.87 ; 329.03,245.95 SITE2.G17 ; SITE2.G17 329.51,246.43 ; SITE2.G17 328.55,246.43 ; SITE2.G17 329.03,246.91 ; D119.A2 162.56,56.69 ; D119.A2 162.56,55.07 ; D119.A2 161.75,55.88 ; D119.A2 163.37,55.88 ; D118.B13 191.31,78.74 ; D118.B13 189.69,78.74 ; D118.B13 190.5,77.93 ; D118.B13 190.5,79.55 ; D129.B15 122.73,99.06 ; D129.B15 121.92,98.25 ; D129.B15 121.11,99.06 ; D129.B15 121.92,99.87 ; 159.21,38.1 D120.B1 ; D120.B1 160.02,37.29 ; D120.B1 160.02,38.91 ; D120.B1 160.83,38.1 ; D114.A15 313.23,355.6 ; D114.A15 312.42,354.79 ; D114.A15 311.61,355.6 ; D114.A15 312.42,356.41 ; D111.B11 397.05,370.84 ; D111.B11 396.24,370.03 ; D111.B11 395.43,370.84 ; D111.B11 396.24,371.65 ; 390.35,396.24 D112.A13 ; D112.A13 391.16,397.05 ; D112.A13 391.97,396.24 ; D112.A13 391.16,395.43 ; 167.64,80.47 D118.B4 ; D118.B4 166.83,81.28 ; D118.B4 168.45,81.28 ; D118.B4 167.64,82.09 ; 335.28,75.39 D102.A12 ; D102.A12 336.09,76.2 ; D102.A12 335.28,77.01 ; D102.A12 334.47,76.2 ; 174.45,386.08 D431.A11 ; D431.A11 175.26,385.27 ; D431.A11 175.26,386.89 ; D431.A11 176.07,386.08 ; 238.76,329.39 CSDPS225.C15 ; CSDPS225.C15 238.76,331.01 ; CSDPS225.C15 237.95,330.2 ; CSDPS225.C15 239.57,330.2 ; 195.58,52.53 D119.A15 ; D119.A15 195.58,54.15 ; D119.A15 196.39,53.34 ; D119.A15 194.77,53.34 ; D318.A12 187.96,66.75 ; D318.A12 188.67,66.04 ; D318.A12 187.96,65.33 ; D318.A12 187.25,66.04 ; 342.9,62.79 D302.A15 ; D302.A15 342.9,64.21 ; D302.A15 343.61,63.5 ; D302.A15 342.19,63.5 ; 93.98,39.83 D132.B4 ; D132.B4 93.17,40.64 ; D132.B4 93.98,41.45 ; D132.B4 94.79,40.64 ; D120.A2 162.56,36.37 ; D120.A2 162.56,34.75 ; D120.A2 161.75,35.56 ; D120.A2 163.37,35.56 ; D132.A14 119.38,36.37 ; D132.A14 119.38,34.75 ; D132.A14 118.57,35.56 ; D132.A14 120.19,35.56 ; D306.A15 416.56,64.21 ; D306.A15 417.27,63.5 ; D306.A15 416.56,62.79 ; D306.A15 415.85,63.5 ; 179.53,381 D431.B9 ; D431.B9 180.34,381.81 ; D431.B9 181.15,381 ; D431.B9 180.34,380.19 ; D113.A4 340.36,333.55 ; D113.A4 340.36,331.93 ; D113.A4 341.17,332.74 ; D113.A4 339.55,332.74 ; D305.A16 419.81,86.36 ; D305.A16 419.1,85.65 ; D305.A16 418.39,86.36 ; D305.A16 419.1,87.07 ; 236.22,342.09 CSDPS425.B16 ; CSDPS425.B16 236.22,343.71 ; CSDPS425.B16 237.03,342.9 ; CSDPS425.B16 235.41,342.9 ; CSDPS229.B16 163.37,332.74 ; CSDPS229.B16 162.56,331.93 ; CSDPS229.B16 162.56,333.55 ; CSDPS229.B16 161.75,332.74 ; 325.12,85.65 D301.A8 ; D301.A8 325.83,86.36 ; D301.A8 325.12,87.07 ; D301.A8 324.41,86.36 ; D124.B5 243.84,38.91 ; D124.B5 244.65,38.1 ; D124.B5 243.03,38.1 ; D124.B5 243.84,37.29 ; D108.A13 411.48,33.83 ; D108.A13 411.48,32.21 ; D108.A13 412.29,33.02 ; D108.A13 410.67,33.02 ; CSDPS229.B14 167.64,333.55 ; CSDPS229.B14 166.83,332.74 ; CSDPS229.B14 167.64,331.93 ; CSDPS229.B14 168.45,332.74 ; D231.A12 173.53,373.38 ; D231.A12 172.72,372.57 ; D231.A12 171.91,373.38 ; D231.A12 172.72,374.19 ; D130.A8 104.95,76.2 ; D130.A8 104.14,77.01 ; D130.A8 103.33,76.2 ; D130.A8 104.14,75.39 ; D122.A1 233.68,74.47 ; D122.A1 232.87,73.66 ; D122.A1 234.49,73.66 ; D122.A1 233.68,72.85 ; D128.B9 33.02,38.91 ; D128.B9 33.83,38.1 ; D128.B9 33.02,37.29 ; D128.B9 32.21,38.1 ; 35.56,80.47 D126.B10 ; D126.B10 36.37,81.28 ; D126.B10 35.56,82.09 ; D126.B10 34.75,81.28 ; 15.24,95.71 D125.A2 ; D125.A2 14.43,96.52 ; D125.A2 15.24,97.33 ; D125.A2 16.05,96.52 ; 247.85,247.93 SITE1.G7 ; SITE1.G7 248.33,248.41 ; SITE1.G7 248.33,247.45 ; SITE1.G7 248.81,247.93 ; D318.A15 195.58,64.21 ; D318.A15 196.29,63.5 ; D318.A15 195.58,62.79 ; D318.A15 194.87,63.5 ; D302.A3 313.13,63.5 ; D302.A3 311.71,63.5 ; D302.A3 312.42,62.79 ; D302.A3 312.42,64.21 ; D129.B16 125.27,101.6 ; D129.B16 123.65,101.6 ; D129.B16 124.46,102.41 ; D129.B16 124.46,100.79 ; 339.65,91.44 D301.B14 ; D301.B14 341.07,91.44 ; D301.B14 340.36,90.73 ; D301.B14 340.36,92.15 ; 105.87,38.1 D132.B9 ; D132.B9 106.68,37.29 ; D132.B9 106.68,38.91 ; D132.B9 107.49,38.1 ; D109.B3 417.37,330.2 ; D109.B3 415.75,330.2 ; D109.B3 416.56,331.01 ; D109.B3 416.56,329.39 ; 392.99,66.04 D306.A6 ; D306.A6 393.7,66.75 ; D306.A6 394.41,66.04 ; D306.A6 393.7,65.33 ; 268.43,340.36 CSDPS425.C3 ; CSDPS425.C3 270.05,340.36 ; CSDPS425.C3 269.24,341.17 ; CSDPS425.C3 269.24,339.55 ; D322.B5 243.84,69.29 ; D322.B5 244.55,68.58 ; D322.B5 243.13,68.58 ; D322.B5 243.84,67.87 ; 271.78,34.75 D124.A16 ; D124.A16 270.97,35.56 ; D124.A16 272.59,35.56 ; D124.A16 271.78,36.37 ; D322.B7 248.92,69.29 ; D322.B7 248.92,67.87 ; D322.B7 248.21,68.58 ; D322.B7 249.63,68.58 ; 331.93,335.28 D113.A7 ; D113.A7 333.55,335.28 ; D113.A7 332.74,334.47 ; D113.A7 332.74,336.09 ; SITE2.G13 329.51,242.83 ; SITE2.G13 329.03,243.31 ; SITE2.G13 328.55,242.83 ; SITE2.G13 329.03,242.35 ; D132.A9 106.68,33.83 ; D132.A9 107.49,33.02 ; D132.A9 105.87,33.02 ; D132.A9 106.68,32.21 ; D131.B5 96.52,59.23 ; D131.B5 97.33,58.42 ; D131.B5 96.52,57.61 ; D131.B5 95.71,58.42 ; DPS8.C15 165.91,410.21 ; DPS8.C15 164.29,410.21 ; DPS8.C15 165.1,409.4 ; DPS8.C15 165.1,411.02 ; D132.A5 96.52,33.83 ; D132.A5 95.71,33.02 ; D132.A5 97.33,33.02 ; D132.A5 96.52,32.21 ; D119.B15 196.39,58.42 ; D119.B15 194.77,58.42 ; D119.B15 195.58,57.61 ; D119.B15 195.58,59.23 ; D130.B14 119.38,82.09 ; D130.B14 118.57,81.28 ; D130.B14 119.38,80.47 ; D130.B14 120.19,81.28 ; 334.47,60.96 D103.B12 ; D103.B12 335.28,60.15 ; D103.B12 335.28,61.77 ; D103.B12 336.09,60.96 ; 182.88,34.75 D120.A10 ; D120.A10 182.88,36.37 ; D120.A10 182.07,35.56 ; D120.A10 183.69,35.56 ; D119.B10 183.69,60.96 ; D119.B10 182.07,60.96 ; D119.B10 182.88,61.77 ; D119.B10 182.88,60.15 ; 12.7,52.53 D127.A1 ; D127.A1 12.7,54.15 ; D127.A1 13.51,53.34 ; D127.A1 11.89,53.34 ; 387.81,347.98 D110.B14 ; D110.B14 389.43,347.98 ; D110.B14 388.62,347.17 ; D110.B14 388.62,348.79 ; D115.B4 341.17,368.3 ; D115.B4 340.36,367.49 ; D115.B4 340.36,369.11 ; D115.B4 339.55,368.3 ; 182.07,81.28 D118.B10 ; D118.B10 182.88,82.09 ; D118.B10 182.88,80.47 ; D118.B10 183.69,81.28 ; 177.09,71.12 D318.B8 ; D318.B8 177.8,70.41 ; D318.B8 177.8,71.83 ; D318.B8 178.51,71.12 ; D301.A7 323.29,83.82 ; D301.A7 321.87,83.82 ; D301.A7 322.58,83.11 ; D301.A7 322.58,84.53 ; D126.B12 40.64,82.09 ; D126.B12 39.83,81.28 ; D126.B12 40.64,80.47 ; D126.B12 41.45,81.28 ; D132.A10 109.22,36.37 ; D132.A10 108.41,35.56 ; D132.A10 110.03,35.56 ; D132.A10 109.22,34.75 ; 90.63,53.34 D131.A3 ; D131.A3 91.44,54.15 ; D131.A3 92.25,53.34 ; D131.A3 91.44,52.53 ; D125.B2 16.05,101.6 ; D125.B2 15.24,100.79 ; D125.B2 14.43,101.6 ; D125.B2 15.24,102.41 ; 93.98,75.39 D130.A4 ; D130.A4 93.98,77.01 ; D130.A4 94.79,76.2 ; D130.A4 93.17,76.2 ; 252.85,181.33 SITE3.G6 ; SITE3.G6 253.81,181.33 ; SITE3.G6 253.33,180.85 ; SITE3.G6 253.33,181.81 ; 47.45,53.34 D127.A15 ; D127.A15 48.26,54.15 ; D127.A15 49.07,53.34 ; D127.A15 48.26,52.53 ; D127.B10 36.37,60.96 ; D127.B10 35.56,60.15 ; D127.B10 34.75,60.96 ; D127.B10 35.56,61.77 ; 392.89,40.64 D108.B6 ; D108.B6 394.51,40.64 ; D108.B6 393.7,39.83 ; D108.B6 393.7,41.45 ; 340.36,80.47 D102.B14 ; D102.B14 339.55,81.28 ; D102.B14 340.36,82.09 ; D102.B14 341.17,81.28 ; CSDPS229.C13 170.99,330.2 ; CSDPS229.C13 170.18,329.39 ; CSDPS229.C13 170.18,331.01 ; CSDPS229.C13 169.37,330.2 ; D107.A5 391.97,53.34 ; D107.A5 391.16,54.15 ; D107.A5 391.16,52.53 ; D107.A5 390.35,53.34 ; D123.A12 261.62,56.69 ; D123.A12 261.62,55.07 ; D123.A12 262.43,55.88 ; D123.A12 260.81,55.88 ; D305.B7 396.95,88.9 ; D305.B7 395.53,88.9 ; D305.B7 396.24,89.61 ; D305.B7 396.24,88.19 ; D318.A13 190.5,64.21 ; D318.A13 191.21,63.5 ; D318.A13 189.79,63.5 ; D318.A13 190.5,62.79 ; 347.17,335.28 D113.A1 ; D113.A1 348.79,335.28 ; D113.A1 347.98,334.47 ; D113.A1 347.98,336.09 ; D122.B11 259.89,78.74 ; D122.B11 259.08,79.55 ; D122.B11 258.27,78.74 ; D122.B11 259.08,77.93 ; 250.85,187.93 SITE3.G10 ; SITE3.G10 251.33,188.41 ; SITE3.G10 251.33,187.45 ; SITE3.G10 251.81,187.93 ; 382.73,55.88 D107.A2 ; D107.A2 383.54,55.07 ; D107.A2 384.35,55.88 ; D107.A2 383.54,56.69 ; 324.31,76.2 D102.A8 ; D102.A8 325.12,75.39 ; D102.A8 325.12,77.01 ; D102.A8 325.93,76.2 ; 192.23,332.74 CSDPS229.B4 ; CSDPS229.B4 193.04,333.55 ; CSDPS229.B4 193.85,332.74 ; CSDPS229.B4 193.04,331.93 ; D317.B12 188.67,91.44 ; D317.B12 187.96,92.15 ; D317.B12 187.25,91.44 ; D317.B12 187.96,90.73 ; D301.A6 320.75,86.36 ; D301.A6 320.04,87.07 ; D301.A6 319.33,86.36 ; D301.A6 320.04,85.65 ; D126.A14 45.72,77.01 ; D126.A14 45.72,75.39 ; D126.A14 44.91,76.2 ; D126.A14 46.53,76.2 ; 197.31,373.38 D231.A2 ; D231.A2 198.12,374.19 ; D231.A2 198.93,373.38 ; D231.A2 198.12,372.57 ; CSDPS429.C11 175.26,341.17 ; CSDPS429.C11 174.45,340.36 ; CSDPS429.C11 175.26,339.55 ; CSDPS429.C11 176.07,340.36 ; 332.74,354.79 D114.A7 ; D114.A7 331.93,355.6 ; D114.A7 332.74,356.41 ; D114.A7 333.55,355.6 ; 316.69,58.42 D103.B5 ; D103.B5 317.5,57.61 ; D103.B5 317.5,59.23 ; D103.B5 318.31,58.42 ; 393.7,387.81 D112.B12 ; D112.B12 393.7,389.43 ; D112.B12 392.89,388.62 ; D112.B12 394.51,388.62 ; 334.47,347.98 D114.B6 ; D114.B6 336.09,347.98 ; D114.B6 335.28,347.17 ; D114.B6 335.28,348.79 ; D110.A5 411.48,356.41 ; D110.A5 411.48,354.79 ; D110.A5 412.29,355.6 ; D110.A5 410.67,355.6 ; D128.A3 18.59,33.02 ; D128.A3 17.78,32.21 ; D128.A3 17.78,33.83 ; D128.A3 16.97,33.02 ; 119.38,100.79 D129.B14 ; D129.B14 119.38,102.41 ; D129.B14 120.19,101.6 ; D129.B14 118.57,101.6 ; 232.87,78.74 D122.B1 ; D122.B1 233.68,77.93 ; D122.B1 233.68,79.55 ; D122.B1 234.49,78.74 ; D102.B8 325.93,81.28 ; D102.B8 325.12,80.47 ; D102.B8 324.31,81.28 ; D102.B8 325.12,82.09 ; 111.76,93.17 D129.A11 ; D129.A11 111.76,94.79 ; D129.A11 110.95,93.98 ; D129.A11 112.57,93.98 ; 190.5,329.39 CSDPS229.C5 ; CSDPS229.C5 191.31,330.2 ; CSDPS229.C5 189.69,330.2 ; CSDPS229.C5 190.5,331.01 ; 397.97,388.62 D112.B10 ; D112.B10 398.78,389.43 ; D112.B10 399.59,388.62 ; D112.B10 398.78,387.81 ; D122.A13 264.16,74.47 ; D122.A13 264.16,72.85 ; D122.A13 263.35,73.66 ; D122.A13 264.97,73.66 ; D107.B13 412.29,58.42 ; D107.B13 411.48,57.61 ; D107.B13 410.67,58.42 ; D107.B13 411.48,59.23 ; 123.65,76.2 D130.A16 ; D130.A16 124.46,77.01 ; D130.A16 125.27,76.2 ; D130.A16 124.46,75.39 ; 237.95,38.1 D124.B3 ; D124.B3 239.57,38.1 ; D124.B3 238.76,37.29 ; D124.B3 238.76,38.91 ; D111.A7 406.4,376.73 ; D111.A7 405.59,375.92 ; D111.A7 406.4,375.11 ; D111.A7 407.21,375.92 ; 337.82,409.4 DPS2.C05 ; DPS2.C05 337.01,410.21 ; DPS2.C05 338.63,410.21 ; DPS2.C05 337.82,411.02 ; D305.B12 408.94,92.15 ; D305.B12 409.65,91.44 ; D305.B12 408.94,90.73 ; D305.B12 408.23,91.44 ; 260.81,342.9 CSDPS425.B6 ; CSDPS425.B6 261.62,343.71 ; CSDPS425.B6 262.43,342.9 ; CSDPS425.B6 261.62,342.09 ; DPS2.A05 337.82,416.1 ; DPS2.A05 338.63,415.29 ; DPS2.A05 337.01,415.29 ; DPS2.A05 337.82,414.48 ; 387.81,373.38 D111.A14 ; D111.A14 388.62,374.19 ; D111.A14 389.43,373.38 ; D111.A14 388.62,372.57 ; D127.B7 28.75,58.42 ; D127.B7 27.13,58.42 ; D127.B7 27.94,59.23 ; D127.B7 27.94,57.61 ; D122.B16 271.78,82.09 ; D122.B16 272.59,81.28 ; D122.B16 271.78,80.47 ; D122.B16 270.97,81.28 ; 414.02,326.85 D109.B4 ; D109.B4 413.21,327.66 ; D109.B4 414.02,328.47 ; D109.B4 414.83,327.66 ; 401.32,52.53 D107.A9 ; D107.A9 401.32,54.15 ; D107.A9 400.51,53.34 ; D107.A9 402.13,53.34 ; SITE3.G13 249.51,182.83 ; SITE3.G13 249.03,183.31 ; SITE3.G13 249.03,182.35 ; SITE3.G13 248.55,182.83 ; D129.A3 91.44,94.79 ; D129.A3 92.25,93.98 ; D129.A3 91.44,93.17 ; D129.A3 90.63,93.98 ; 322.58,52.53 D103.A7 ; D103.A7 323.39,53.34 ; D103.A7 322.58,54.15 ; D103.A7 321.77,53.34 ; D124.B12 261.62,41.45 ; D124.B12 260.81,40.64 ; D124.B12 261.62,39.83 ; D124.B12 262.43,40.64 ; 344.63,388.62 D116.B2 ; D116.B2 345.44,387.81 ; D116.B2 346.25,388.62 ; D116.B2 345.44,389.43 ; 243.84,32.21 D124.A5 ; D124.A5 244.65,33.02 ; D124.A5 243.03,33.02 ; D124.A5 243.84,33.83 ; D132.A12 115.11,35.56 ; D132.A12 114.3,34.75 ; D132.A12 113.49,35.56 ; D132.A12 114.3,36.37 ; D132.A4 93.98,36.37 ; D132.A4 93.98,34.75 ; D132.A4 94.79,35.56 ; D132.A4 93.17,35.56 ; D104.A15 342.9,33.83 ; D104.A15 343.71,33.02 ; D104.A15 342.9,32.21 ; D104.A15 342.09,33.02 ; D305.A6 393.7,87.07 ; D305.A6 392.99,86.36 ; D305.A6 394.41,86.36 ; D305.A6 393.7,85.65 ; S2_I2C.4 505.89,203.45 ; S2_I2C.4 504.95,202.51 ; S2_I2C.4 504.95,204.39 ; S2_I2C.4 504.01,203.45 ; 170.18,83.11 D317.A5 ; D317.A5 169.47,83.82 ; D317.A5 170.18,84.53 ; D317.A5 170.89,83.82 ; D131.B16 124.46,61.77 ; D131.B16 123.65,60.96 ; D131.B16 124.46,60.15 ; D131.B16 125.27,60.96 ; D104.B14 341.17,40.64 ; D104.B14 340.36,39.83 ; D104.B14 340.36,41.45 ; D104.B14 339.55,40.64 ; D106.B16 419.91,81.28 ; D106.B16 418.29,81.28 ; D106.B16 419.1,80.47 ; D106.B16 419.1,82.09 ; 245.57,55.88 D123.A6 ; D123.A6 246.38,55.07 ; 